# Altium PCB GridSeed_Rev03.PcbDoc (part 2 of 5)
Units mm, origin at the board's own origin, x right, y up, seen from the top; angles counter-clockwise.
Board outline 91 x 132.3 mm, 4 copper layers (L1, L2, L3, L4), stack 1.577 mm thick; 522 components, 141 nets, 2177 pads, 2361 vias.
Unrouted connection lines stored in the file: 44.
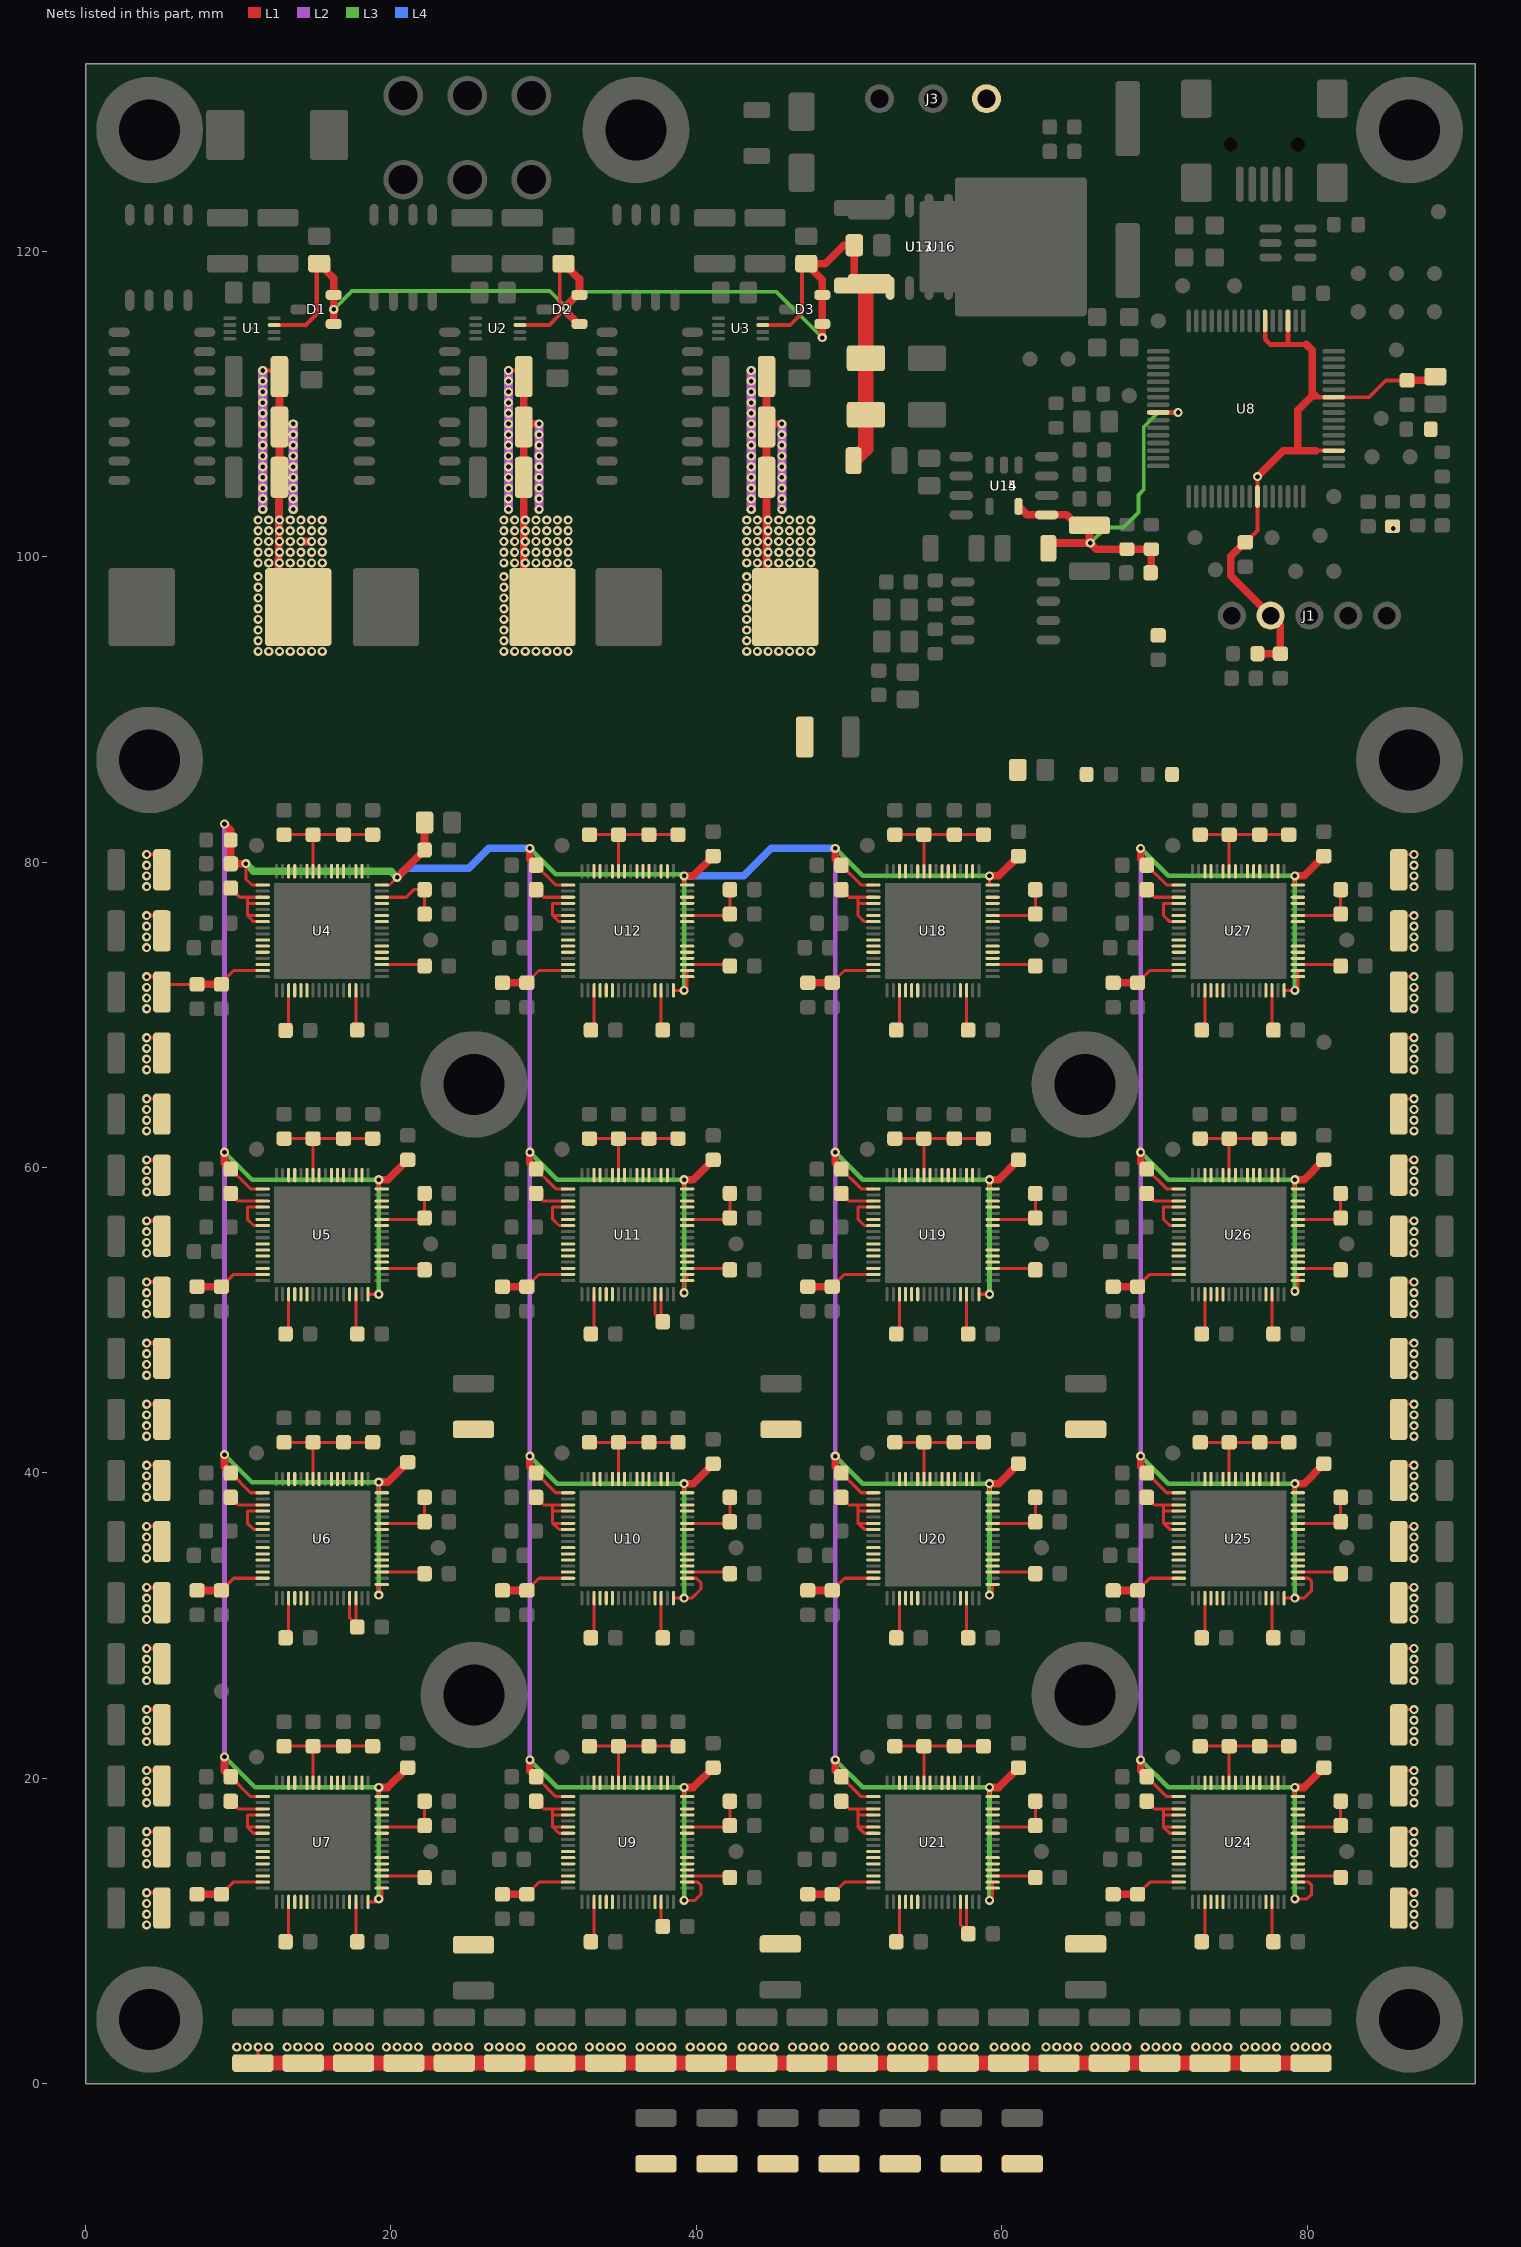
[diagram p4: the nets of this part, all layers, seen from the top]

## Components (designator, comment, footprint, x,y, rotation, side; value= is the part's Value field where it differs from the comment) (continued)
TP3 "TEST_POINT_1" SMD_TP_100-254 11.2,41.3 r0 top
TP4 "TEST_POINT_1" SMD_TP_100-254 11.2,21.4 r0 top
TP5 "TEST_POINT_1" SMD_TP_100-254 22.6,74.9 r0 top
TP6 "TEST_POINT_1" SMD_TP_100-254 22.6,55 r0 top
TP7 "TEST_POINT_1" SMD_TP_100-254 23.1,35.1 r0 top
TP8 "TEST_POINT_1" SMD_TP_100-254 22.6,15.2 r0 top
TP9 "TEST_POINT_1" SMD_TP_100-254 72.65,101.25 r0 top
TP10 "TEST_POINT_1" SMD_TP_100-254 74,99.15 r0 top
TP11 "TEST_POINT_1" SMD_TP_100-254 68.35,110.55 r0 top
TP12 "TEST_POINT_1" SMD_TP_100-254 81.75,99.05 r0 top
TP13 "TEST_POINT_1" SMD_TP_100-254 31.2,21.4 r0 top
TP14 "TEST_POINT_1" SMD_TP_100-254 31.2,41.3 r0 top
TP15 "TEST_POINT_1" SMD_TP_100-254 31.2,61.2 r0 top
TP16 "TEST_POINT_1" SMD_TP_100-254 31.2,81.1 r0 top
TP17 "TEST_POINT_1" SMD_TP_100-254 80.85,101.4 r0 top
TP18 "TEST_POINT_1" SMD_TP_100-254 61.85,112.95 r0 top
TP19 "TEST_POINT_1" SMD_TP_100-254 64.35,112.95 r0 top
TP20 "TEST_POINT_1" SMD_TP_100-254 84.25,106.55 r0 top
TP21 "TEST_POINT_1" SMD_TP_100-254 86.75,106.55 r0 top
TP22 "TEST_POINT_1" SMD_TP_100-254 71.85,117.75 r0 top
TP23 "TEST_POINT_1" SMD_TP_100-254 75.25,117.75 r0 top
TP24 "TEST_POINT_1" SMD_TP_100-254 84.85,109.05 r0 top
TP25 "TEST_POINT_1" SMD_TP_100-254 88.35,116.05 r0 top
TP26 "TEST_POINT_1" SMD_TP_100-254 85.85,113.55 r0 top
TP27 "TEST_POINT_1" SMD_TP_100-254 85.85,116.05 r0 top
TP28 "TEST_POINT_1" SMD_TP_100-254 88.35,118.55 r0 top
TP29 "TEST_POINT_1" SMD_TP_100-254 85.85,118.55 r0 top
TP30 "TEST_POINT_1" SMD_TP_100-254 83.35,116.05 r0 top
TP31 "TEST_POINT_1" SMD_TP_100-254 83.35,118.55 r0 top
TP32 "TEST_POINT_1" SMD_TP_100-254 42.6,15.2 r0 top
TP33 "TEST_POINT_1" SMD_TP_100-254 42.6,35.1 r0 top
TP34 "TEST_POINT_1" SMD_TP_100-254 42.6,55 r0 top
TP35 "TEST_POINT_1" SMD_TP_100-254 42.6,74.9 r0 top
TP36 "TEST_POINT_1" SMD_TP_100-254 51.2,81.1 r0 top
TP37 "TEST_POINT_1" SMD_TP_100-254 51.2,61.2 r0 top
TP38 "TEST_POINT_1" SMD_TP_100-254 51.2,41.3 r0 top
TP39 "TEST_POINT_1" SMD_TP_100-254 51.2,21.4 r0 top
TP40 "TEST_POINT_1" SMD_TP_100-254 62.6,74.9 r0 top
TP41 "TEST_POINT_1" SMD_TP_100-254 62.6,55 r0 top
TP42 "TEST_POINT_1" SMD_TP_100-254 62.6,35.1 r0 top
TP43 "TEST_POINT_1" SMD_TP_100-254 62.6,15.2 r0 top
TP44 "TEST_POINT_1" SMD_TP_100-254 71.2,21.4 r0 top
TP45 "TEST_POINT_1" SMD_TP_100-254 71.2,41.3 r0 top
TP46 "TEST_POINT_1" SMD_TP_100-254 71.2,61.2 r0 top
TP47 "TEST_POINT_1" SMD_TP_100-254 71.2,81.1 r0 top
TP48 "TEST_POINT_1" SMD_TP_100-254 81.1,68.2 r0 top
TP49 "TEST_POINT_1" SMD_TP_100-254 82.6,15.2 r0 top
TP50 "TEST_POINT_1" SMD_TP_100-254 82.6,35.1 r0 top
TP51 "TEST_POINT_1" SMD_TP_100-254 82.6,55 r0 top
TP52 "TEST_POINT_1" SMD_TP_100-254 82.6,74.9 r0 top
TP53 "TEST_POINT_1" SMD_TP_100-254 77.7,101.25 r0 top
TP54 "TEST_POINT_1" SMD_TP_100-254 79.25,99.05 r0 top
U1 "IC_LTC4449" SMD_SON45P300X200X80-9N 10.9,114.95 r0 top
U2 "IC_LTC4449" SMD_SON45P300X200X80-9N 27,114.95 r0 top
U3 "IC_LTC4449" SMD_SON45P300X200X80-9N 42.9,114.95 r0 top
U4 "GC3355Q64" SMT_QFN40P800X800X90-65N 15.5,75.5 r90 top
U5 "GC3355Q64" SMT_QFN40P800X800X90-65N 15.5,55.6 r90 top
U6 "GC3355Q64" SMT_QFN40P800X800X90-65N 15.5,35.7 r90 top
U7 "GC3355Q64" SMT_QFN40P800X800X90-65N 15.5,15.8 r90 top
U8 "IC_DSPIC33EP256MU806-QFN64" SMD_QFP50P1200X1200X120-64N 76,109.7 r90 top
U9 "GC3355Q64" SMT_QFN40P800X800X90-65N 35.5,15.8 r90 top
U10 "GC3355Q64" SMT_QFN40P800X800X90-65N 35.5,35.7 r90 top
U11 "GC3355Q64" SMT_QFN40P800X800X90-65N 35.5,55.6 r90 top
U12 "GC3355Q64" SMT_QFN40P800X800X90-65N 35.5,75.5 r90 top
U13 "(OPT) LM7805" SMD_SOIC127P600X175-8N 54.6,120.3 r90 top
U14 "IC_TLV70033QDDCRQ1" SMD_SOT95P280X135-5N 60.15,104.65 r270 top
U15 "IC_BDXXKA5WF" SMD_SOIC127P620X160-8N 60.15,104.65 r180 top
U16 "IC_IN1OUT3GND4" SMD_TO254P1542X460-3_4N 57.3,120.3 r0 top
U17 "IC_VIN1GND4VOUT3" SMD_TO229P991X239-4N_DPAK 55.5,120.3 r0 top
U18 "GC3355Q64" SMT_QFN40P800X800X90-65N 55.5,75.5 r90 top
U19 "GC3355Q64" SMT_QFN40P800X800X90-65N 55.5,55.6 r90 top
U20 "GC3355Q64" SMT_QFN40P800X800X90-65N 55.5,35.7 r90 top
U21 "GC3355Q64" SMT_QFN40P800X800X90-65N 55.5,15.8 r90 top
U22 "IC_BD00KA5WF" SMD_SOIC127P620X160-8N 60.25,96.45 r0 top
U23 "IC_BD00KA5WF" SMD_SOIC127P620X160-8N 60.25,96.45 r0 top
U24 "GC3355Q64" SMT_QFN40P800X800X90-65N 75.5,15.8 r90 top
U25 "GC3355Q64" SMT_QFN40P800X800X90-65N 75.5,35.7 r90 top
U26 "GC3355Q64" SMT_QFN40P800X800X90-65N 75.5,55.6 r90 top
U27 "GC3355Q64" SMT_QFN40P800X800X90-65N 75.5,75.5 r90 top
Y1 "XTAL" SMD_HC49_XTAL1140X480X420N 68.25,124.05 r90 top

## Footprints (in the part's own frame and the unit in brackets; to place one, negate y for a bottom-side part, rotate by r counter-clockwise, add the part's x,y. Pads: shape width x height; smd on the part's side, far side on the other; paste and mask are expansions set on the pad)
FID100X200 [mm]
  round 1 smd paste-0.5 mask+0.5: 1(0,0)
  L1 keep-out region: 1.05,0 0.969,0.406 0.74,0.749 0.396,0.979 -0.01,1.06 -0.01,1.06 -0.415,0.979 -0.759,0.749 -0.989,0.406 -1.069,0 -1.069,0 -0.989,-0.406 -0.759,-0.749 -0.415,-0.979 -0.01,-1.06 -0.01,-1.06 0.396,-0.979 0.74,-0.749 0.969,-0.406 1.05,0
PTH_CON_HD-351-3P [mm]
  round 1.9 hole 1.2 mask+0.075: 1(-3.5,0) 2(0,0) 3(3.5,0)
  silkscreen extent -5.3,0.95 5.3,3.8, body extent -5.65,-3.7 5.25,3.7, height 8.52
PTH_CON_WR-MRC4-6P [mm]
  round 2.6 hole 1.9 mask+0.075: 1(-4.2,2.75) 2(0,2.75) 3(4.2,2.75) 4(-4.2,-2.75) 5(0,-2.75) 6(4.2,-2.75)
  silkscreen extent -7.1,-2 7.1,2, body extent -6.9,-3.32 6.9,16.65, height 11.37
PTH_HDRV05W64P254_1X05 [mm]
  round 1.85 hole 1.15 mask+0.075: 1(-5.08,0) 2(-2.54,0) 3(0,0) 4(2.54,0) 5(5.08,0)
  silkscreen extent -6.35,-1.25 6.35,1.25, body extent -6.35,-1.25 6.35,1.25, height 8
PTH_MTG400_700 [mm]
  round 7 / inner round 5 / far side round 7 hole 4 mask+0.075: 1(0,0)
  silkscreen extent -3.85,-3.85 3.85,3.85
SMD_0603_CAPC1608X95N [mm]
  rrect42% 0.95x1 smd mask+0.075: 1(-0.8,0) 2(0.8,0)
  body extent -0.8,-0.4 0.8,0.4, height 0.95
SMD_0603_RESC1608X55N [mm]
  rrect44% 0.9x1 smd mask+0.075: 1(-0.8,0) 2(0.8,0)
  body extent -0.8,-0.4 0.8,0.4, height 0.55
SMD_0805_CAPC2012X145N [mm]
  rrect35% 1.15x1.45 smd mask+0.075: 1(-0.9,0) 2(0.9,0)
  body extent -1,-0.6 1,0.6, height 1.45
SMD_0805_INDC2012X105N [mm]
  rrect35% 1.15x1.45 smd mask+0.075: 1(-0.9,0) 2(0.9,0)
  body extent -1,-0.62 1,0.63, height 1.05
SMD_0805_LED2012X100N [mm]
  rrect33% 1.2x1.2 smd mask+0.075: 1(-1.05,0) 2(1.05,0)
  body extent -1,-0.62 1,0.63, height 0.98
SMD_1206_RESC3216X65N [mm]
  rrect38% 1.05x1.75 smd mask+0.075: 1(-1.5,0) 2(1.5,0)
  silkscreen extent -0.65,-0.85 0.65,0.85, body extent -1.6,-0.8 1.6,0.8, height 0.65
SMD_1210_CAPC3225X270N [mm]
  rrect35% 1.15x2.7 smd mask+0.075: 1(-1.5,0) 2(1.5,0)
  silkscreen extent -0.6,-1.35 0.6,1.35, body extent -1.6,-1.25 1.6,1.25, height 2.7
SMD_1210_CAPC3225X279N [mm]
  rrect35% 1.15x2.7 smd mask+0.075: 1(-1.5,0) 2(1.5,0)
  silkscreen extent -0.6,-1.35 0.6,1.35, body extent -1.6,-1.25 1.6,1.25, height 2.79
SMD_CON-CVILUX-CU04-SCM15B0 [mm]
  rrect80% 0.5x2.3 smd mask+0.075: 1(-1.6,2.6) 2(-0.8,2.6) 3(0,2.6) 4(0.8,2.6) 5(1.6,2.6)
  rrect20% 2x2.5 smd mask+0.075: 6(4.45,2.5) 7(4.45,-3) 8(-4.45,-3) 9(-4.45,2.5)
  round 0.5 hole 0.9 unplated mask+0.275: 10(-2.2,0) 11(2.2,0)
  silkscreen extent -3.85,-4.7 3.85,4.15, body extent -4.95,-5.9 4.95,3.1, height 3.95
SMD_DO214AC_SMA [mm]
  rrect24% 2.5x1.7 smd mask+0.075: 1(-2,0) 2(2,0)
  silkscreen extent -3.25,-1.45 2.3,1.45, body extent -2.64,-1.39 2.64,1.4, height 2.29
SMD_DO214AC_SMC [mm]
  rrect16% 2.5x3.3 smd mask+0.075: 1(-3.4,0) 2(3.4,0)
  silkscreen extent -4.5,-3.1 3.55,3.1, body extent -4.06,-3.11 4.07,3.11, height 2.62
SMD_HC49_XTAL1140X480X420N [mm]
  rrect25% 4.9x1.6 smd mask+0.075: 1(-4.65,0) 2(4.65,0)
  silkscreen extent -5.7,-2.35 5.7,2.35, body extent -6.5,-2.4 6.5,2.4, height 4.2
SMD_QFP50P1200X1200X120-64N [mm]
  oval 1.5x0.3 smd mask+0.05: 1(-5.75,3.75) 2(-5.75,3.25) 3(-5.75,2.75) 4(-5.75,2.25) 5(-5.75,1.75) 6(-5.75,1.25) 7(-5.75,0.75) 8(-5.75,0.25) 9(-5.75,-0.25) 10(-5.75,-0.75) 11(-5.75,-1.25) 12(-5.75,-1.75) 13(-5.75,-2.25) 14(-5.75,-2.75) 15(-5.75,-3.25) 16(-5.75,-3.75) 33(5.75,-3.75) 34(5.75,-3.25) 35(5.75,-2.75) 36(5.75,-2.25) 37(5.75,-1.75) 38(5.75,-1.25) 39(5.75,-0.75) 40(5.75,-0.25) 41(5.75,0.25) 42(5.75,0.75) 43(5.75,1.25) 44(5.75,1.75) 45(5.75,2.25) 46(5.75,2.75) 47(5.75,3.25) 48(5.75,3.75)
  oval 0.3x1.5 smd mask+0.05: 17(-3.75,-5.75) 18(-3.25,-5.75) 19(-2.75,-5.75) 20(-2.25,-5.75) 21(-1.75,-5.75) 22(-1.25,-5.75) 23(-0.75,-5.75) 24(-0.25,-5.75) 25(0.25,-5.75) 26(0.75,-5.75) 27(1.25,-5.75) 28(1.75,-5.75) 29(2.25,-5.75) 30(2.75,-5.75) 31(3.25,-5.75) 32(3.75,-5.75) 49(3.75,5.75) 50(3.25,5.75) 51(2.75,5.75) 52(2.25,5.75) 53(1.75,5.75) 54(1.25,5.75) 55(0.75,5.75) 56(0.25,5.75) 57(-0.25,5.75) 58(-0.75,5.75) 59(-1.25,5.75) 60(-1.75,5.75) 61(-2.25,5.75) 62(-2.75,5.75) 63(-3.25,5.75) 64(-3.75,5.75)
  round 1 smd paste-0.5 mask+0.5: 65(-5.75,-5.75) 66(5.75,5.75)
  L1 keep-out region: -4.75,-5.75 -4.826,-5.367 -5.043,-5.043 -5.367,-4.826 -5.75,-4.75 -5.75,-4.75 -6.133,-4.826 -6.457,-5.043 -6.674,-5.367 -6.75,-5.75 -6.75,-5.75 -6.674,-6.133 -6.457,-6.457 -6.133,-6.674 -5.75,-6.75 -5.75,-6.75 -5.367,-6.674 -5.043,-6.457 -4.826,-6.133 -4.75,-5.75
  L1 keep-out region: 6.75,5.75 6.674,6.133 6.457,6.457 6.133,6.674 5.75,6.75 5.75,6.75 5.367,6.674 5.043,6.457 4.826,6.133 4.75,5.75 4.75,5.75 4.826,5.367 5.043,5.043 5.367,4.826 5.75,4.75 5.75,4.75 6.133,4.826 6.457,5.043 6.674,5.367 6.75,5.75
  silkscreen extent -6.45,-5.15 5.15,5.15, body extent -6,-6 6,6, height 1.2
SMD_SOIC127P600X110-9AN [mm]
  oval 1.4x0.6 smd mask+0.075: 1(-2.8,1.905) 2(-2.8,0.635) 3(-2.8,-0.635) 4(-2.8,-1.905) 5(2.8,-1.905) 6(2.8,-0.635) 7(2.8,0.635) 8(2.8,1.905)
  L1 region: -1.35,2.2 2.4,2.2 2.4,-2.2 -1.35,-2.2 -1.35,2.2
  silkscreen extent -3.5,-2.55 2.05,2.55
SMD_SOIC127P600X175-8N [mm]
  oval 1.55x0.6 smd mask+0.075: 1(-2.7,1.905) 2(-2.7,0.635) 3(-2.7,-0.635) 4(-2.7,-1.905) 5(2.7,-1.905) 6(2.7,-0.635) 7(2.7,0.635) 8(2.7,1.905)
  silkscreen extent -3.5,-2.55 2.05,2.55, body extent -3,-2.5 3,2.5, height 1.75
SMD_SOIC127P620X160-8N [mm]
  oval 1.55x0.6 smd mask+0.075: 1(-2.8,1.905) 2(-2.8,0.635) 3(-2.8,-0.635) 4(-2.8,-1.905) 5(2.8,-1.905) 6(2.8,-0.635) 7(2.8,0.635) 8(2.8,1.905)
  silkscreen extent -3.5,-2.55 2.05,2.55
SMD_SON45P300X200X80-9N [mm]
  oval 0.85x0.25 smd mask+0.05: 1(-1.45,0.675) 2(-1.45,0.225) 3(-1.45,-0.225) 4(-1.45,-0.675) 5(1.45,-0.675) 6(1.45,-0.225) 7(1.45,0.225) 8(1.45,0.675)
  round 0.2 smd: 9(0,0)
  L1 region: -0.8,0.725 0.8,0.725 0.8,-0.725 -0.8,-0.725 -0.8,0.725
  silkscreen extent -1.85,-1 0.8,1
SMD_SOT23_SOT95P240X120-3N [mm]
  rrect62% 1.05x0.65 smd mask+0.075: 1(-1.15,0.95) 2(-1.15,-0.95) 3(1.15,0)
  silkscreen extent -1.7,-1.6 0.75,1.6, body extent -1.2,-1.45 1.2,1.45, height 1.2
SMD_SOT95P280X135-5N [mm]
  rrect73% 1.1x0.55 smd mask+0.075: 1(-1.35,0.95) 2(-1.35,0) 3(-1.35,-0.95) 4(1.35,-0.95) 5(1.35,0.95)
  silkscreen extent -1.95,-1.6 0.9,1.6, body extent -1.4,-1.45 1.4,1.45, height 1.3
SMD_SOT457_SOT95P275X110-6N [mm]
  rrect80% 1.45x0.5 smd mask+0.075: 1(-1.15,0.95) 2(-1.15,0) 3(-1.15,-0.95) 4(1.15,-0.95) 5(1.15,0) 6(1.15,0.95)
  silkscreen extent -1.9,-1.6 0.85,1.6, body extent -1.37,-1.45 1.38,1.45, height 1.1
SMD_TO229P991X239-4N_DPAK [mm]
  rrect40% 2.85x1 smd mask+0.075: 1(-4.15,2.29) 3(-4.15,-2.29)
  rrect7% 6.45x6 smd paste-3.225 mask+0.075: 4(2.35,0)
  silkscreen extent -5.65,-3.3 -1.9,3.4, body extent -4.88,-3.27 4.88,3.27, height 2.38
SMD_TO254P1542X460-3_4N [mm]
  rrect38% 3.75x1.05 smd mask+0.075: 1(-6.4,2.54) 3(-6.4,-2.54)
  rrect5% 8.65x9.1 smd paste-9.1 mask+0.075: 4(3.95,0)
  silkscreen extent -8.12,-5.2 -2.45,5.2
SMD_TP_100-254 [mm]
  round 1 smd paste-0.55 mask+0.075: 1(0,0)
  silkscreen extent -0.82,-0.82 0.82,0.82, body extent -0.5,-0.5 0.5,0.5, height 0.05
SMT_INDM135130X800N [mm]
  rrect9% 4.35x5.1 smd mask+0.075: 1(-5.125,0) 2(5.125,0)
  silkscreen extent -6.73,-6.48 6.73,6.48, body extent -6.26,-6.25 6.26,6.25, height 8
SMT_QFN40P800X800X90-65N [mm]
  oval 0.95x0.2 smd mask+0.05: 1(-3.9,3) 2(-3.9,2.6) 3(-3.9,2.2) 4(-3.9,1.8) 5(-3.9,1.4) 6(-3.9,1) 7(-3.9,0.6) 8(-3.9,0.2) 9(-3.9,-0.2) 10(-3.9,-0.6) 11(-3.9,-1) 12(-3.9,-1.4) 13(-3.9,-1.8) 14(-3.9,-2.2) 15(-3.9,-2.6) 16(-3.9,-3) 33(3.9,-3) 34(3.9,-2.6) 35(3.9,-2.2) 36(3.9,-1.8) 37(3.9,-1.4) 38(3.9,-1) 39(3.9,-0.6) 40(3.9,-0.2) 41(3.9,0.2) 42(3.9,0.6) 43(3.9,1) 44(3.9,1.4) 45(3.9,1.8) 46(3.9,2.2) 47(3.9,2.6) 48(3.9,3)
  oval 0.2x0.95 smd mask+0.05: 17(-3,-3.9) 18(-2.6,-3.9) 19(-2.2,-3.9) 20(-1.8,-3.9) 21(-1.4,-3.9) 22(-1,-3.9) 23(-0.6,-3.9) 24(-0.2,-3.9) 25(0.2,-3.9) 26(0.6,-3.9) 27(1,-3.9) 28(1.4,-3.9) 29(1.8,-3.9) 30(2.2,-3.9) 31(2.6,-3.9) 32(3,-3.9) 49(3,3.9) 50(2.6,3.9) 51(2.2,3.9) 52(1.8,3.9) 53(1.4,3.9) 54(1,3.9) 55(0.6,3.9) 56(0.2,3.9) 57(-0.2,3.9) 58(-0.6,3.9) 59(-1,3.9) 60(-1.4,3.9) 61(-1.8,3.9) 62(-2.2,3.9) 63(-2.6,3.9) 64(-3,3.9)
  rect 6.3x6.3 smd paste-6.3: 65(0,0)
  silkscreen extent -5.07,-4 4,4

## Part data
C1 C2 C3 C69 C139 C191 C226 C275: library part CAP000043636
C4 C5 C6: library part CAP000028589
C7 C8 C9: library part CAP000027193
C10 C11 C15 C16 C20 C21: library part CAP000043701
C12 C13 C14 C17 C18 C19 C22 C23 C24 C224 C_1 C_2 C_3 C_4 C_5 C_6 C_7 C_8 C_9 C_10 C_11 C_12 C_13 C_14 C_15 C_16 C_17 C_18 C_19 C_20 C_21 C_22 C_23 C_24 C_25 C_26 C_27 C_28 C_29 C_30 C_31 C_32 C_33 C_34 C_35 C_36 C_37 C_38 C_39 C_40 C_41 C_42 C_43 C_44 C_45 C_46 C_47 C_48 C_49 C_50 C_51 C_52 C_53 C_54 C_55 C_56 C_57 C_58 C_59 C_60 C_61 C_62 C_63 C_64 C_65 C_66 C_67 C_68 C_69 C_70 C_71 C_72: library part CAP000047355
C25 C26 C27 C28 C29 C30 C31 C32 C33 C34 C35 C36 C37 C38 C39 C40 C41 C42 C43 C44 C45 C46 C47 C48 C49 C50 C51 C52 C53 C54 C55 C56 C57 C58 C59 C60 C61 C62 C63 C64 C65 C66 C67 C68 C70 C71 C72 C73 C74 C75 C76 C77 C78 C79 C80 C81 C82 C83 C84 C85 C118 C119 C120 C121 C122 C123 C124 C125 C126 C127 C128 C129 C130 C131 C132 C133 C134 C135 C136 C137 C140 C141 C142 C143 C144 C145 C146 C147 C148 C149 C150 C151 C152 C153 C154 C155 C156 C157 C158 C159 C160 C161 C162 C163 C175 C176 C177 C178 C179 C180 C181 C182 C183 C184 C185 C186 C187 C188 C189 C190 C227 C228 C229 C230 C231 C232 C233 C234 C235 C236 C237 C238 C239 C240 C241 C242 C243 C244 C245 C246 C247 C248 C249 C250 C251 C252 C253 C254 C255 C256 C257 C258 C262 C263 C264 C265 C266 C267 C268 C269 C270 C271 C272 C273 C276 C277 C278 C279 C280 C281 C282 C283 C284 C285 C286 C287 C288 C289 C290 C291 C324 C325 C326 C327 C328 C329 C330 C331 C332 C333 C334 C335 C336 C337 C338 C339 C340 C341 C342 C343 C344 C345 C346 C347 C348 C349 C350 C351 C352 C353 C354 C355 C356 C357 C358 C359 C360 C361 C362 C363 C364 C365 C366 C367 C368 C369 C370 C371 C372 C373 C374 C375 C376 C377 C378 C379 C380 C381 C382 C383: library part CAP000028169
C138 C166: library part CAP000024113
C167 C168 C169 C170 C171 C172 C260 C261: library part CAP000027136
C173 C174: library part CAP000031922
C225 C259 C274: library part CAP000043686
D1 D2 D3: library part DDE000000490
D4 D5 D6 D7: library part LED_2
D8 D10 D11: library part DDE000000580
D9: library part DDE000002846
D12: library part DDE000001725
FB1: library part IND000000029
FID1 FID2: library part FID000000001
J1: library part CON000000006
J2: library part CON000000048
J3: library part CON000000272
J4: library part CON000000271
J5 J6 J7 J8 J9 J10 J11 J12 J13 J14 J15: library part MTH000000030
L1 L2 L3: library part L
Q1 Q2 Q3 Q4 Q5 Q6 Q7 Q8 Q9: library part TRA000001604
R1 R2 R3 R4 R5 R6 R7 R8 R17 R18 R19 R20 R21 R22 R23 R24 R26 R31 R32 R43 R44 R45 R46 R50 R52 R53 R54 R64 R65 R66 R67: library part RES000008663
R25: library part RES000006261
R27 R30: library part RES000006220
R33: library part RES000008926
R42: library part RES000007051
R47: library part RES000006922
R48 R49: library part RES000008756
R51 R55: library part RES000006287
TP1 TP2 TP3 TP4 TP5 TP6 TP7 TP8 TP9 TP10 TP11 TP12 TP13 TP14 TP15 TP16 TP17 TP18 TP19 TP20 TP21 TP22 TP23 TP24 TP25 TP26 TP27 TP28 TP29 TP30 TP31 TP32 TP33 TP34 TP35 TP36 TP37 TP38 TP39 TP40 TP41 TP42 TP43 TP44 TP45 TP46 TP47 TP48 TP49 TP50 TP51 TP52 TP53 TP54: library part TPO000000001
U1 U2 U3: library part DRV000000079
U4 U5 U6 U7 U9 U10 U11 U12 U18 U19 U20 U21 U24 U25 U26 U27: "GridSeed"
U8: library part MCU000000070
U13: library part PSU000000125
U14: library part PSU000000126
U15: library part PSU000000127
U16: library part PSU000000129
U17: library part PSU000000031
U22 U23: library part PSU000000128
Y1: library part OSC000000012

## Via types
v1: diameter 0.6/0.6/0.6/0.6 (per signal layer), hole 0.3, L1 to L4, 2361 vias

## Nets (pads, with @x,y where several pads share a name; then routed paths per layer and width w, separated by ;. In a path a pad name is that pad's centre, name@x,y a point inside that pad or via, vN(x,y) a via of type N, cw(c..) or ccw(c..) an arc to the next point about the centre after c; other vN are vias at no path point)
1V: C12.2 C13.2 C14.2 C17.2 C18.2 C19.2 C22.2 C23.2 C24.2 C25.2 C26.2 C28.2 C30.2 C31.2 C33.2 C35.2 C36.2 C38.2 C40.2 C41.2 C43.2 C45.2 C46.2 C47.2 C48.2 C49.2 C50.2 C51.2 C52.2 C53.2 C54.2 C55.2 C56.2 C57.2 C58.2 C59.2 C60.2 C61.2 C62.2 C63.2 C64.2 C65.2 C66.2 C67.2 C68.2 C70.2 C71.2 C72.2 C74.2 C75.2 C76.2 C78.2 C79.2 C80.2 C82.2 C83.2 C84.2 C118.2 C119.2 C121.2 C123.2 C124.2 C126.2 C128.2 C129.2 C131.2 C133.2 C134.2 C136.2 C140.2 C141.2 C142.2 C143.2 C144.2 C145.2 C146.2 C147.2 C148.2 C149.2 C150.2 C151.2 C152.2 C153.2 C154.2 C155.2 C156.2 C157.2 C158.2 C159.2 C160.2 C161.2 C162.2 C163.2 C175.2 C176.2 C177.2 C179.2 C180.2 C181.2 C183.2 C184.2 C185.2 C187.2 C188.2 C189.2 C227.2 C228.2 C230.2 C232.2 C233.2 C235.2 C237.2 C238.2 C240.2 C242.2 C243.2 C245.2 C247.2 C248.2 C249.2 C250.2 C251.2 C252.2 C253.2 C254.2 C255.2 C256.2 C257.2 C258.2 C262.2 C263.2 C264.2 C265.2 C266.2 C267.2 C268.2 C269.2 C270.2 C271.2 C272.2 C273.2 C276.2 C277.2 C278.2 C280.2 C281.2 C282.2 C284.2 C285.2 C286.2 C288.2 C289.2 C290.2 C324.2 C325.2 C327.2 C329.2 C330.2 C332.2 C334.2 C335.2 C337.2 C339.2 C340.2 C342.2 C344.2 C345.2 C346.2 C347.2 C348.2 C349.2 C350.2 C351.2 C352.2 C353.2 C354.2 C355.2 C356.2 C357.2 C358.2 C359.2 C360.2 C361.2 C362.2 C363.2 C364.2 C365.2 C366.2 C367.2 C368.2 C369.2 C370.2 C372.2 C373.2 C374.2 C376.2 C377.2 C378.2 C380.2 C381.2 C382.2 C_1.1 C_2.1 C_3.1 C_4.1 C_5.1 C_6.1 C_7.1 C_8.1 C_9.1 C_10.1 C_11.1 C_12.1 C_13.1 C_14.1 C_15.1 C_16.1 C_17.1 C_18.1 C_19.1 C_20.1 C_21.1 C_22.1 C_23.1 C_24.1 C_25.1 C_26.1 C_27.1 C_28.1 C_29.1 C_30.1 C_31.1 C_32.1 C_33.1 C_34.1 C_35.1 C_36.1 C_37.1 C_38.1 C_39.1 C_40.1 C_41.1 C_42.1 C_43.1 C_44.1 C_45.1 C_46.1 C_47.1 C_48.1 C_49.1 C_50.1 C_51.1 C_52.1 C_53.1 C_54.1 C_55.1 C_56.1 C_57.1 C_58.1 C_59.1 C_60.1 C_61.1 C_62.1 C_63.1 C_64.1 C_65.1 C_66.1 C_67.1 C_68.1 C_69.1 C_70.1 C_71.1 C_72.1 L1.2 L2.2 L3.2 R26.2 U4.3 U4.4 U4.5 U4.6 U4.13 U4.14 U4.19 U4.20 U4.21 U4.22 U4.26 U4.27 U4.29 U4.30 U4.34 U4.35 U4.37 U4.38 U4.39 U4.41 U4.42 U4.43 U4.45 U4.46 U4.51 U4.52 U4.54 U4.55 U4.58 U4.59 U4.60 U4.62 U4.63 U5.3 U5.4 U5.5 U5.6 U5.13 U5.14 U5.19 U5.20 U5.21 U5.22 U5.26 U5.27 U5.29 U5.30 U5.34 U5.35 U5.37 U5.38 U5.39 U5.41 U5.42 U5.43 U5.45 U5.46 U5.51 U5.52 U5.54 U5.55 U5.58 U5.59 U5.60 U5.62 U5.63 U6.3 U6.4 U6.5 U6.6 U6.13 U6.14 U6.19 U6.20 U6.21 U6.22 U6.26 U6.27 U6.29 U6.30 U6.34 U6.35 U6.37 U6.38 U6.39 U6.41 U6.42 U6.43 U6.45 U6.46 U6.51 U6.52 U6.54 U6.55 U6.58 U6.59 U6.60 U6.62 U6.63 U7.3 U7.4 U7.5 U7.6 U7.13 U7.14 U7.19 U7.20 U7.21 U7.22 U7.26 U7.27 U7.29 U7.30 U7.34 U7.35 U7.37 U7.38 U7.39 U7.41 U7.42 U7.43 U7.45 U7.46 U7.51 U7.52 U7.54 U7.55 U7.58 U7.59 U7.60 U7.62 U7.63 U9.3 U9.4 U9.5 U9.6 U9.13 U9.14 U9.19 U9.20 U9.21 U9.22 U9.26 U9.27 U9.29 U9.30 U9.34 U9.35 U9.37 U9.38 U9.39 U9.41 U9.42 U9.43 U9.45 U9.46 U9.51 U9.52 U9.54 U9.55 U9.58 U9.59 U9.60 U9.62 U9.63 U10.3 U10.4 U10.5 U10.6 U10.13 U10.14 U10.19 U10.20 U10.21 U10.22 U10.26 U10.27 U10.29 U10.30 U10.34 U10.35 U10.37 U10.38 U10.39 U10.41 U10.42 U10.43 U10.45 U10.46 U10.51 U10.52 U10.54 U10.55 U10.58 U10.59 U10.60 U10.62 U10.63 U11.3 U11.4 U11.5 U11.6 U11.13 U11.14 U11.19 U11.20 U11.21 U11.22 U11.26 U11.27 U11.29 U11.30 U11.34 U11.35 U11.37 U11.38 U11.39 U11.41 U11.42 U11.43 U11.45 U11.46 U11.51 U11.52 U11.54 U11.55 U11.58 U11.59 U11.60 U11.62 U11.63 U12.3 U12.4 U12.5 U12.6 U12.13 U12.14 U12.19 U12.20 U12.21 U12.22 U12.26 U12.27 U12.29 U12.30 U12.34 U12.35 U12.37 U12.38 U12.39 U12.41 U12.42 U12.43 U12.45 U12.46 U12.51 U12.52 U12.54 U12.55 U12.58 U12.59 U12.60 U12.62 U12.63 U18.3 U18.4 U18.5 U18.6 U18.13 U18.14 U18.19 U18.20 U18.21 U18.22 U18.26 U18.27 U18.29 U18.30 U18.34 U18.35 U18.37 U18.38 U18.39 U18.41 U18.42 U18.43 U18.45 U18.46 U18.51 U18.52 U18.54 U18.55 U18.58 U18.59 U18.60 U18.62 U18.63 U19.3 U19.4 U19.5 U19.6 U19.13 U19.14 U19.19 U19.20 U19.21 U19.22 U19.26 U19.27 U19.29 U19.30 U19.34 U19.35 U19.37 U19.38 U19.39 U19.41 U19.42 U19.43 U19.45 U19.46 U19.51 U19.52 U19.54 U19.55 U19.58 U19.59 U19.60 U19.62 U19.63 U20.3 U20.4 U20.5 U20.6 U20.13 U20.14 U20.19 U20.20 U20.21 U20.22 U20.26 U20.27 U20.29 U20.30 U20.34 U20.35 U20.37 U20.38 U20.39 U20.41 U20.42 U20.43 U20.45 U20.46 U20.51 U20.52 U20.54 U20.55 U20.58 U20.59 U20.60 U20.62 U20.63 U21.3 U21.4 U21.5 U21.6 U21.13 U21.14 U21.19 U21.20 U21.21 U21.22 U21.26 U21.27 U21.29 U21.30 U21.34 U21.35 U21.37 U21.38 U21.39 U21.41 U21.42 U21.43 U21.45 U21.46 U21.51 U21.52 U21.54 U21.55 U21.58 U21.59 U21.60 U21.62 U21.63 U24.3 U24.4 U24.5 U24.6 U24.13 U24.14 U24.19 U24.20 U24.21 U24.22 U24.26 U24.27 U24.29 U24.30 U24.34 U24.35 U24.37 U24.38 U24.39 U24.41 U24.42 U24.43 U24.45 U24.46 U24.51 U24.52 U24.54 U24.55 U24.58 U24.59 U24.60 U24.62 U24.63 U25.3 U25.4 U25.5 U25.6 U25.13 U25.14 U25.19 U25.20 U25.21 U25.22 U25.26 U25.27 U25.29 U25.30 U25.34 U25.35 U25.37 U25.38 U25.39 U25.41 U25.42 U25.43 U25.45 U25.46 U25.51 U25.52 U25.54 U25.55 U25.58 U25.59 U25.60 U25.62 U25.63 U26.3 U26.4 U26.5 U26.6 U26.13 U26.14 U26.19 U26.20 U26.21 U26.22 U26.26 U26.27 U26.29 U26.30 U26.34 U26.35 U26.37 U26.38 U26.39 U26.41 U26.42 U26.43 U26.45 U26.46 U26.51 U26.52 U26.54 U26.55 U26.58 U26.59 U26.60 U26.62 U26.63 U27.3 U27.4 U27.5 U27.6 U27.13 U27.14 U27.19 U27.20 U27.21 U27.22 U27.26 U27.27 U27.29 U27.30 U27.34 U27.35 U27.37 U27.38 U27.39 U27.41 U27.42 U27.43 U27.45 U27.46 U27.51 U27.52 U27.54 U27.55 U27.58 U27.59 U27.60 U27.62 U27.63 | length 761.2